# Allegro board PSU-C2-6Layers-Aug8.brd (continued)
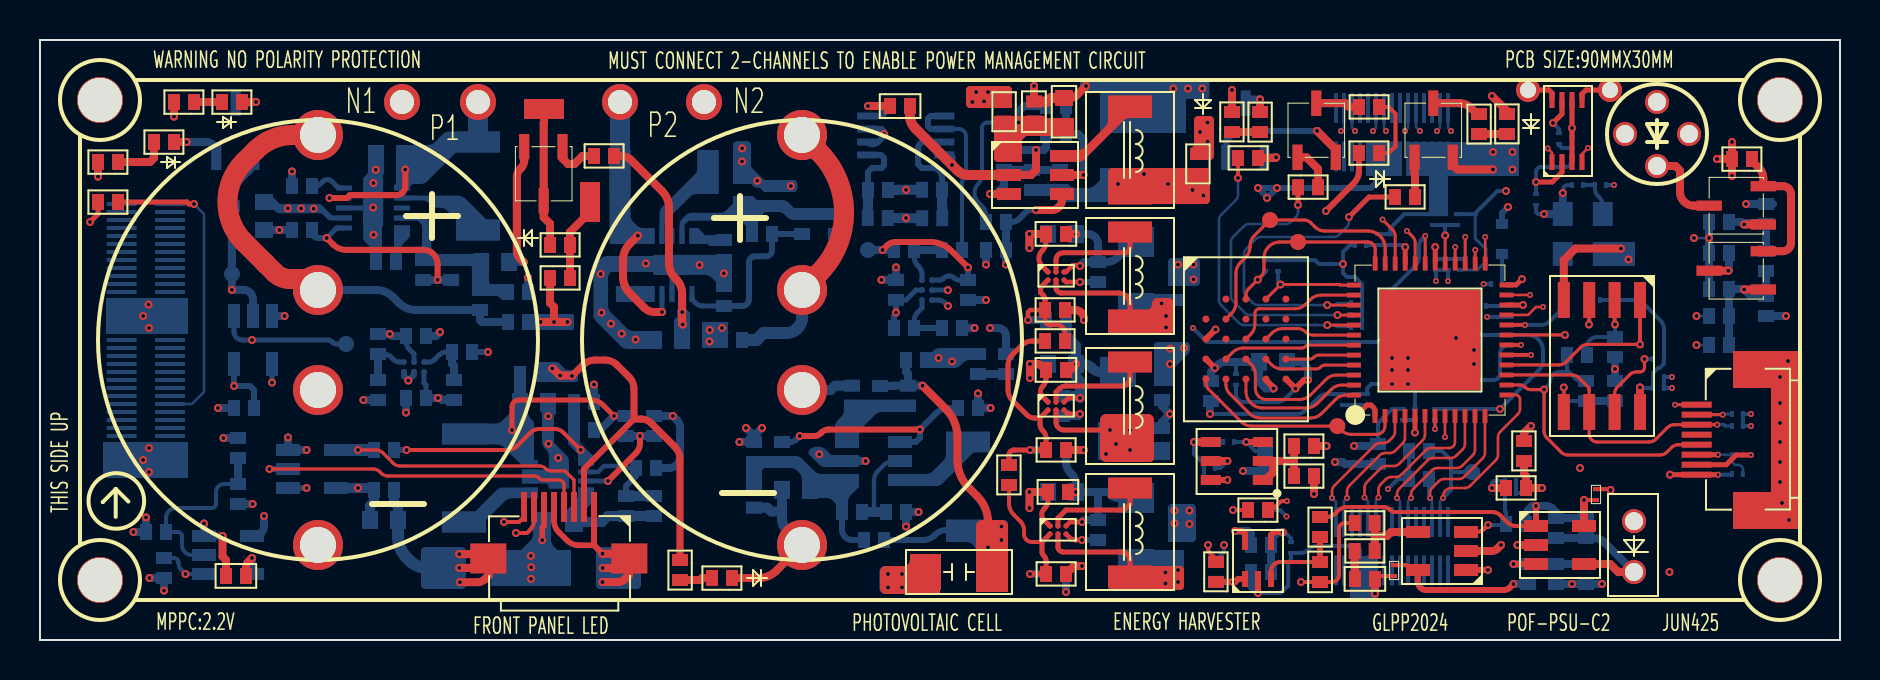
[diagram p0: board, top side]
## Routing (per net, layer and track width the routed paths; a pad name or vN(x,y) marks a point on that pad's centre or on a via; arc(x,y) is an arc through that point) (continued)
  BOTTOM w0.4: R71.2 C48.2
N824724: length 3
  BOTTOM w0.25: U18.C1 19.43,13.9 arc(19.6,13.93) 19.74,14.03 19.95,14.24 arc(20.13,14.36) 20.33,14.4 R72.1
  BOTTOM w0.4: R72.1 20.6,13.81 20.7,13.71 R79.1
N834143: length 1.6
  TOP w0.4: D6.2 33.11,3.1 33.01,3 R16.2
N943794: length 16.4
  TOP w0.2: R28.1 64.34,6.15 arc(64.57,6.2) 64.77,6.33 64.91,6.47 arc(65.11,6.6) 65.34,6.65 67.19,6.65 arc(67.34,6.62) 67.46,6.54 67.49,6.51 arc(67.61,6.43) 67.76,6.4 72.6,6.4 arc(72.83,6.35) 73.03,6.22 73.37,5.88 arc(73.57,5.75) 73.8,5.7 U12.1
  TOP w0.3: U12.1 v1(74.8,6.7)
  BOTTOM w0.4: C65.2 74.3,6.23 arc(74.33,6.39) 74.42,6.52 74.6,6.7 v1(74.8,6.7) 75.33,6.7 arc(75.49,6.67) 75.62,6.58 75.8,6.4 C66.1 R111.1
N943802: length 7.2
  TOP w0.4: PD1.1 78.91,3.4 78.51,3.8 U12.4
  BOTTOM w0.4: C66.2 R111.2 77.69,5.1 arc(77.98,5.04) 78.22,4.88 PD1.1
N950397: length 4.2
  TOP w0.4: v1(75.1,7.6) R24.2 74.3,8.19 74.2,8.29 R25.1
  BOTTOM w0.2: C57.1 73.8,7.36 R103.2 74.09,7.35 arc(74.24,7.38) 74.36,7.46 74.39,7.49 arc(74.51,7.57) 74.66,7.6 v1(75.1,7.6)
N953867: length 16
  TOP w0.2: R116.1 65.24,5.85 arc(65.04,5.76) 64.95,5.56 64.95,3.26 arc(64.84,3.01) 64.59,2.9 C13.1 v1(63.05,2.9)
  TOP w0.3: v1(72.4,3.5) U11.1
  SIG1 w0.127: v1(72.4,3.5) 66.56,3.5 arc(66.41,3.47) 66.29,3.39 65.91,3.01 arc(65.79,2.93) 65.64,2.9 v1(63.05,2.9)
N953891: length 3.6
  TOP w0.4: R110.2 66.73,5.2 ; 66.73,5.2 R116.2 ; 66.73,5.2 67.35,5.2 67.55,5.4 U11.4
N953940: length 1.4
  TOP w0.4: R110.1 65.73,3.66 65.75,3.64 C68.2
N957540: length 4.4
  TOP w0.2: U10.3 61.55,3.45 arc(61.68,3.77) 62,3.9 C13.2
  TOP w0.3: C13.2 R28.2
N961187: length 4.1
  TOP w0.3: v1(62.14,5.39) 62.12,5.4 61.7,5.4 61.55,5.25 U10.4
  BOTTOM w0.2: C70.2 62.55,5.09 62.25,5.39 v1(62.14,5.39)
  BOTTOM w0.4: R124.2 R115.1 61.55,5.05 61.89,5.39 v1(62.14,5.39)
N1037075: length 2.7
  TOP w0.4: R9.1 5.5,23.9 5.7,24.1 D5.2
N1120293: length 4.2
  TOP w0.4: LD1.2 81.78,23.7 82,23.48 82,22.4 arc(82.2,21.92) 82.69,21.71 Q1.3
N1120309: length 7
  TOP w0.4: Q2.1 v1(85.2,17.53)
  BOTTOM w0.4: R131.1 R33.1 85.53,17.2 v1(85.2,17.53) 85.18,17.55 R29.2 R15.2 R50.2
N1120313: length 1.9
  TOP w0.4: Q2.3 v1(84.42,18.46)
  BOTTOM w0.4: v1(84.42,18.46) 84.45,18.49 R32.2
N1120345: length 4.3
  TOP w0.4: v1(85.2,20.78) Q1.1
  BOTTOM w0.4: R131.2 R35.1 86.25,20.85 85.28,20.85 v1(85.2,20.78) 85.08,20.9 R31.2
N1120473: length 7.2
  TOP w0.4: R11.1 85.6,23.95 85.95,23.6 arc(86.11,23.36) 86.17,23.08 Q1.2 87.15,22.69 arc(87.43,22.57) 87.55,22.29 87.55,19.85 arc(87.43,19.56) 87.14,19.44 Q2.2
N1125946: length 2.1
  TOP w0.24: 68.75,11.2 v1(68.75,10.37)
  BOTTOM w0.2: v1(68.75,10.37) 68.75,10.37 C50.1 FB5.1
N1126010: length 2.6
  TOP w0.24: U4.30 v1(69.76,19.65)
  BOTTOM w0.2: FB2.1 C35.1 C36.1 69.8,19.61 v1(69.76,19.65)
N1126482: length 3.1
  TOP w0.15: U4.29 v1(70.26,20.23)
  BOTTOM w0.2: C22.1 C24.1 ; C24.1 R41.1 ; C24.1 70.25,20.24 v1(70.26,20.23)
N1126654: length 3.5
  TOP w0.24: U4.24 73.81,17.75 v1(74.1,18.05)
  BOTTOM w0.2: v1(74.1,18.05) 73.85,17.8 C37.1 D7.1
N1128601: length 6.8
  TOP w0.3: U3.E4 61.3,13 61.68,12.62 v1(61.68,12.58) ; U3.D1 v1(58.74,13.6)
  BOTTOM w0.2: C46.1 59.8,13.9
  BOTTOM w0.4: L8.1 58.55,13.41 v1(58.74,13.6) 58.92,13.78 arc(59.06,13.87) 59.22,13.9 C54.1 60.95,12.92 61.29,12.58 v1(61.68,12.58)
N1140972: length 9.6
  BOTTOM w0.2: U22.2 7.59,4.25 arc(7.24,4.39) 7.1,4.74 7.1,5.2 arc(7.04,5.34) 6.9,5.4 C69.2 6.3,6.1 arc(6.45,6.45) 6.8,6.6 8.6,6.6 arc(8.74,6.66) 8.8,6.8 8.8,7.4 arc(8.92,7.68) 9.2,7.8 R104.2
  BOTTOM w0.4: R93.1 R104.2
N1147788: length 1.4
  TOP w0.4: D2.1 R3.2
N1147792: length 3.6
  TOP w0.2: D3.1 67.44,24.35 67.78,24.68 67.78,26.32 67.44,26.65 R4.2
N1147796: length 1.4
  TOP w0.4: R5.2 D4.1
N1147848: length 1.4
  TOP w0.4: R3.1 v1(61,27.03)
  BOTTOM w0.4: v1(61,27.03) 60.47,27.03 60.28,26.84
N1147852: length 2.2
  TOP w0.4: Q4.3 65.27,26.84 65.46,26.65 R4.1
N1147856: length 2.5
  TOP w0.4: Q3.3 70.97,26.84 arc(71.28,26.78) 71.55,26.6 71.85,26.3 R5.1
N1147930: length 1.5
  TOP w0.4: R6.2 61.77,24.1 v1(61.81,24.13)
  BOTTOM w0.4: Q5.1 v1(61.81,24.13)
N1147938: length 2.2
  TOP w0.4: R7.2 63.9,23.56 63.32,24.13 Q4.1
N1147946: length 2
  TOP w0.4: Q3.1 68.73,23.31 68.75,23.28 R8.2
N1161020: length 75.7
  SIG1 w0.127: v1(7.27,3.3) 7.94,3.3 arc(8.09,3.27) 8.21,3.19 8.54,2.86 arc(8.66,2.78) 8.81,2.75 17.84,2.75 arc(17.99,2.78) 18.11,2.86 18.54,3.29 arc(18.62,3.41) 18.65,3.56 18.65,5.14 arc(18.68,5.29) 18.76,5.41 19.14,5.79 arc(19.26,5.87) 19.41,5.9 20.89,5.9 arc(21.04,5.87) 21.16,5.79 22.44,4.51 arc(22.56,4.43) 22.71,4.4 23.49,4.4 arc(23.64,4.43) 23.76,4.51 25.09,5.84 arc(25.21,5.92) 25.36,5.95 35.04,5.95 arc(35.19,5.98) 35.31,6.06 35.89,6.64 arc(36.23,6.87) 36.64,6.95 42.8,6.95 arc(42.85,6.96) 42.89,6.99 42.94,7.04 arc(43.06,7.12) 43.21,7.15 46.24,7.15 arc(46.39,7.18) 46.51,7.26 47.59,8.34 arc(47.71,8.42) 47.86,8.45 49.89,8.45 arc(50.04,8.42) 50.16,8.34 50.39,8.11 arc(50.47,7.99) 50.5,7.84 50.5,7.26 arc(50.53,7.11) 50.61,6.99 50.89,6.71 arc(51.01,6.63) 51.16,6.6 54.59,6.6 arc(54.74,6.57) 54.86,6.49 55.59,5.76 arc(55.67,5.64) 55.7,5.49 55.7,5.29 arc(55.8,5.05) 56.04,4.95 57.17,4.95 arc(57.44,4.84) 57.55,4.57 57.55,4.26 arc(57.58,4.11) 57.66,3.99 57.89,3.76 arc(58.12,3.61) 58.4,3.55 65.1,3.55 arc(65.38,3.6) 65.61,3.76 67.29,5.44 arc(67.37,5.56) 67.4,5.71 v2(67.4,7.55)
  BOTTOM w0.2: R120.1 6.68,4.1 arc(6.78,4.08) 6.87,4.02 arc(6.91,3.96) 6.93,3.88 6.93,3.85 arc(6.96,3.66) 7.07,3.5 v1(7.27,3.3) U22.1 ; R119.1 R118.1 67.9,8.05 v2(67.4,7.55)
N1296793: length 4.8
  TOP w0.3: U12.3 v1(73.67,3.8)
  BOTTOM w0.4: v1(73.67,3.8) R123.1 C75.2 R121.2
N1325635: length 3.7
  TOP w0.2: U11.3 71.82,5.4 arc(72.03,5.44) 72.21,5.56 v1(72.4,5.75)
  BOTTOM w0.2: v1(72.4,5.75) 73.25,5.75 C65.1 73.3,6.39 73.25,6.44 R103.1
N1346126: length 2.9
  BOTTOM w0.4: R42.1 9.6,22.2 arc(9.67,22.59) 9.9,22.93 10.72,23.75 Q6.1
N1347937: length 1.7
  TOP w0.4: D1.1 v1(10.8,26.9)
  BOTTOM w0.4: Q6.3 10.35,26.84 10.41,26.9 v1(10.8,26.9)
N1347941: length 1.4
  TOP w0.4: R1.1 D1.2
N1493508: length 6.2
  TOP w0.22: R126.2 51.25,15.37 arc(51.14,15.64) 50.87,15.75 50.49,15.75 arc(50.41,15.77) 50.34,15.81 50.31,15.84 arc(50.27,15.91) 50.25,15.99 R17.1 49.51,16.5 49.4,16.39 v1(49.4,16)
  TOP w0.25: R17.1 50.25,17.02 arc(50.23,17.14) 50.16,17.25 50.03,17.37 50.03,17.63 U2.B1
  BOTTOM w0.4: R64.2 v1(49.4,16)
N1495908: length 5.4
  TOP w0.25: U2.A2 50.8,19 arc(50.91,19.26) 51.16,19.36 54.24,19.36 arc(54.42,19.44) 54.5,19.62 L2.1
N1495915: length 5.3
  TOP w0.25: L2.2 54.5,16.78 arc(54.33,17.18) 53.93,17.35 51.06,17.35 arc(50.88,17.43) 50.8,17.61 U2.B2
  vias: v1(56.07,16.83) v1(56.3,16.2) v1(56.3,15.63)
N1496954: length 1.7
  TOP w0.23: U2.B3 51.3,17.9 v1(52,17.9)
  BOTTOM w0.3: v1(52,17.9) R58.2
N1504028: length 5.3
  TOP w0.25: L3.1 54.5,13.06 arc(54.48,12.94) 54.4,12.83 54.37,12.8 arc(54.26,12.72) 54.14,12.7 51.29,12.7 arc(51.11,12.67) 50.97,12.57 50.8,12.4 U6.A2
N1504040: length 5.6
  TOP w0.127: v1(54.5,9.5) 54.5,9.4
  TOP w0.25: U6.B2 50.8,10.9 arc(50.92,10.62) 51.2,10.5 v1(53.5,10.5) v1(54.5,10.5) v1(54.5,9.5)
  vias: v1(53.3,9.3) v1(53.8,9.8)
N1504216: length 11.6
  TOP w0.25: 50,11.1 50,10.79 arc(50.03,10.61) 50.13,10.47 50.17,10.43 arc(50.27,10.29) 50.3,10.11 R20.1 v1(49.5,9.5) 48.7,9.5 arc(48.52,9.43) 48.45,9.25 R125.2 ; 50,11.1 49.73,11.1 arc(49.52,11.14) 49.34,11.26 48.62,11.98 arc(48.46,12.22) 48.4,12.51 48.4,13.74 arc(48.46,14.03) 48.62,14.27 49.08,14.73 arc(49.32,14.89) 49.61,14.95 R126.1 ; 50,11.1 U6.B1
  BOTTOM w0.4: R20.1 v1(49.5,9.5)
N1504224: length 1.8
  TOP w0.23: v1(52,11.3) 51.52,11.3 arc(51.41,11.32) 51.32,11.38 U6.B3
  BOTTOM w0.4: R84.2 51.9,11.2 v1(52,11.3)
N1511461: length 5.1
  TOP w0.25: U8.A2 50.9,6.1 51.3,6.5 54.2,6.5 54.5,6.8 L4.1
N1511469: length 5.4
  TOP w0.25: L4.2 54.5,3.98 arc(54.38,4.28) 54.08,4.4 51.15,4.4 arc(50.97,4.47) 50.9,4.65 U8.B2
  vias: v1(56.27,3.37) v1(56.27,2.83) v1(56.9,3.5) v1(56.9,2.9)
N1511693: length 7.6
  TOP w0.2: 50.1,4.9 49.6,4.9 arc(49.32,5.02) 49.2,5.3 49.2,5.5 arc(49.15,5.73) 49.02,5.93 48.7,6.25 arc(48.51,6.53) 48.45,6.85 R125.1
  TOP w0.25: v1(49.5,3.3) R27.1 50.3,3.98 arc(50.28,4.09) 50.22,4.18 50.18,4.22 arc(50.12,4.31) 50.1,4.42 50.1,4.9 U8.B1
  BOTTOM w0.4: R27.1 v1(49.5,3.3)
N1511701: length 1.7
  TOP w0.23: U8.B3 51.47,5.13 arc(51.61,5.03) 51.79,5 v1(52.1,5)
  BOTTOM w0.3: v1(52.1,5) R112.2
N1521910: length 2.3
  BOTTOM w0.3: R108.2 40.1,5.52 arc(40.25,5.15) 40.62,5 R113.2
N1522062: length 10.9
  TOP w0.3: v1(44,10.52) 39.42,10.52 arc(39.24,10.49) 39.08,10.38 39.04,10.34 arc(38.88,10.24) 38.7,10.2 v1(37.99,10.2)
  BOTTOM w0.3: v1(37.99,10.2) 37.82,10.03 arc(37.67,9.93) 37.51,9.9 R96.1 ; U19.4 43.79,9.9 44,10.11 v1(44,10.52) 44.81,11.34 arc(45.1,11.53) 45.45,11.6 R85.2
N1522150: length 4.6
  BOTTOM w0.22: 41.7,6.4 41.7,7.98 arc(41.75,8.23) 41.89,8.44 42.21,8.76 arc(42.42,8.9) 42.67,8.95 U19.5
  BOTTOM w0.5: R108.1 R107.2
N1524626: length 1.4
  BOTTOM w0.4: R75.2 D8.2
N1528431: length 9
  BOTTOM w0.2: v1(48.93,25.87) 47.37,25.87 arc(47.18,25.79) 47.1,25.6 47.1,23.25 arc(47.05,23.02) 46.92,22.82 arc(46.73,22.35) 46.92,21.88 47.12,21.68 arc(47.25,21.48) 47.3,21.25 R46.2
  BOTTOM w0.4: R30.2 49.2,26.7 48.93,26.43 v1(48.93,25.87)
N1528491: length 5.4
  TOP w0.4: U1.3 v1(47.5,22.3)
  BOTTOM w0.4: v1(47.5,22.3) 47.8,22.3 48.2,22.7 R36.2 R37.2 C19.1
N1528623: length 30.2
  TOP w0.4: v1(49.8,21.5) 50.61,21.5 arc(50.78,21.53) 50.92,21.63 50.97,21.68 arc(51.07,21.82) 51.1,21.99 U1.4
  SIG1 w0.2: v1(48.3,18.77) 48.3,18.25 arc(48.35,18.02) 48.48,17.82 49.07,17.23 arc(49.27,17.1) 49.5,17.05 53.75,17.05 arc(53.98,17.1) 54.18,17.23 54.62,17.67 arc(54.82,17.8) 55.05,17.85 56.25,17.85 arc(56.48,17.8) 56.68,17.67 57.47,16.88 arc(57.6,16.68) 57.65,16.45 v2(57.65,15.6)
  BOTTOM w0.2: R22.1 R23.1 67.45,15.41 66.94,14.9 58.35,14.9 v2(57.65,15.6)
  BOTTOM w0.3: v1(49.8,21.5) 49.57,21.5 arc(49.41,21.47) 49.28,21.38 48.96,21.06 arc(48.78,20.94) 48.58,20.9 R46.1
  BOTTOM w0.4: R46.1 R53.2 v1(48.3,18.77)
N1528651: length 5.2
  TOP w0.4: U1.5 52.17,23.25 v1(52.17,23.25)
  BOTTOM w0.4: v1(52.17,23.25) 52.17,25.03 51.9,25.3 R34.2 R30.1
N1533062: length 2.4
  TOP w0.3: R106.1 v1(59.65,2.91) 59.76,2.91 59.91,3.05 U10.1
  BOTTOM w0.3: R101.1 59.65,2.9 v1(59.65,2.91)
N1559286: length 4.3
  TOP w0.4: 61.67,8.95 61.67,8.4 61.27,8 U7.1 ; 61.67,8.95 U7.2 ; 61.67,8.95 62.7,8.95 ; 62.7,8.95 R19.2 ; 62.7,8.95 R21.2
N1560195: length 1.4
  TOP w0.3: U7.6 v1(59.37,8)
  BOTTOM w0.2: R102.2 v1(59.37,8)
N1632215: length 4.2
  TOP w0.4: R127.2 D9.2 26.5,20.4 27.5,21.4 TP21.1
N1632252: length 6.9
  TOP w0.4: TP22.1 25.2,25.86 25.18,25.84 25.18,21.13 25.5,20.82 D9.1
N1633088: length 2.4
  TOP w0.4: Q7.1 26.12,24.08 26.4,23.8 26.72,23.8 27.12,24.2 R128.1
N1642129: length 2.2
  BOTTOM w0.2: R129.1 R130.1 77.75,22.53 arc(77.78,22.36) 77.88,22.22 77.96,22.14 arc(78.09,21.94) 78.14,21.71 Y2.1
N3312581: length 1.6
  TOP w0.25: TP25.1 75.45,27.5 75.6,27.35 U23.8
N3312603: length 1.8
  TOP w0.25: U23.5 77.1,27.3 77.3,27.5 TP26.1

## Copper pours and planes (outline as drawn; the poured copper is in the pictures)
GND on TOP (solid shape): 87.9,5.55 84.65,5.55 84.65,7.4 86.55,7.4 86.55,12.6 84.65,12.6 84.65,14.45 87.9,14.45
GND on TOP (solid shape): 45,2.3 42.3,2.3 42.09,2.39 42,2.6 42,3.4 42.09,3.61 42.3,3.7 43.2,3.7 43.41,3.79 43.5,4 43.5,4.3 45,4.3
GND on BOTTOM (solid shape): 7.4,8.1 3.15,8.1 3.15,9.9 7.4,9.9
GND on BOTTOM (solid shape): 66.9,2.1 65.5,2.1 65.5,4.2 66.9,4.2
GND on BOTTOM (solid shape): 79.75,18.7 77.65,18.7 77.65,19.9 79.75,19.9
GND on BOTTOM (solid shape): 58.47,27.06 57.3,27.06 57.3,25.35 53,25.35 53,27.4 52,27.4 52,27.9 58.47,27.9
GND on BOTTOM (solid shape): 73.95,23.2 70.4,23.2 70.4,21.2 69.45,21.2 69.45,23.2 68.3,23.2 68.3,24.9 73.95,24.9
GND on BOTTOM (solid shape): 17.2,23.31 17.16,23.27 17.16,20.72 17.1,20.67 17.1,18.5 16.5,18.5 16.5,19.56 16.48,19.65 16.43,19.73 16.23,19.93 16.17,20.01 16.16,20.1 16.16,21.48 14.8,21.48 14.8,21.73 16.16,21.73 16.16,23 16.17,23.09 16.23,23.17 16.33,23.27 16.38,23.35 16.4,23.45 16.4,24.75 17.2,24.75
GND on BOTTOM (solid shape): 45,2.3 42.26,2.3 42.05,2.39 41.96,2.6 41.96,3.4 42.05,3.61 42.26,3.7 43.2,3.7 43.41,3.79 43.5,4 43.5,4.3 45,4.3
GND on BOTTOM (solid shape): 35.35,24.94 35.49,24.89 35.55,24.74 35.55,23.75 35.57,23.66 35.62,23.58 36.13,23.07 36.21,23.02 36.3,23 37,23 37,22.4 36.2,22.4 36.06,22.54 35.98,22.6 35.88,22.62 35.84,22.62 35.74,22.63 35.66,22.69 35.55,22.8 34.65,22.8 34.65,24.74 34.71,24.89 34.85,24.94
GND on BOTTOM (solid shape): 25.8,11.36 25.79,11.31 25.76,11.27 25.73,11.24 25.7,11.2 25.69,11.15 25.69,10.91 25.7,10.9 25.7,9.87 26.3,9.26 26.41,9.11 26.45,8.92 26.45,7.58 25.45,7.58 25.45,7.62 25.39,7.77 25.25,7.82 24.1,7.82 24.1,8.52 25.25,8.52 25.39,8.58 25.45,8.73 25.45,9.18 25.41,9.37 25.3,9.52 25.24,9.58 25.14,9.74 25.1,9.93 25.1,11.3 25.09,11.35 25.06,11.39 25,11.45 25,12.35 25.8,12.35
GND on BOTTOM (solid shape): 34.6,17.4 33.8,17.4 33.8,17.89 33.58,18.11 33.42,18.22 33.24,18.26 31.73,18.26 31.73,16.9 31.48,16.9 31.48,18.26 30.68,18.26 30.68,18.4 28.55,18.4 28.54,18.39 28.44,18.23 28.4,18.05 28.4,16.72 28.44,16.54 28.54,16.38 29.33,15.59 29.49,15.49 29.67,15.45 31.1,15.45 31.1,14.55 29.39,14.55 29.2,14.59 29.05,14.69 27.81,15.93 27.71,16.08 27.67,16.27 27.67,18.5 27.71,18.69 27.81,18.84 28.03,19.06 28.18,19.16 28.37,19.2 30.68,19.2 30.68,19.26 33.8,19.26 33.8,19.3 34.6,19.3
GND on GND: 4.99,27.52 4.8,28 85.2,28 85.04,27.55 84.99,27.08 85.6,25.6 87.08,24.99 87.55,25.04 88,25.2 88,4.8 87.54,4.97 87.06,5.02 85.59,4.41 84.98,2.94 85.03,2.46 85.2,2 80.95,2 80.95,6.9 66.7,6.9 66.4,7.2 64.6,7.2 64.3,6.9 63.4,6.9 63.4,2 4.8,2 4.48,4.48 2,4.8 2,25.2 2.48,25.01 3,24.94 4.46,25.54 5.06,27 ; 1 cut-out
GND on GND2: 4.99,27.52 4.8,28 85.2,28 85.04,27.55 84.99,27.08 85.6,25.6 87.08,24.99 87.55,25.04 88,25.2 88,4.8 87.54,4.97 87.06,5.02 85.59,4.41 84.98,2.94 85.03,2.46 85.2,2 80.95,2 80.95,6.9 67,6.9 67,7.05 66.7,7.35 64.75,7.35 64.3,6.9 63.4,6.9 63.4,2 4.8,2 4.48,4.48 2,4.8 2,25.2 2.48,25.01 3,24.94 4.46,25.54 5.06,27 ; 1 cut-out
P1V8ADJ_PRE on BOTTOM (solid shape): 58,23.6 58.35,23.45 58.5,23.1 58.5,22.4 58.35,22.05 58,21.9 51.1,21.9 50.92,21.94 50.76,22.04 50.6,22.2 49.2,22.2 49.2,22.8 51.4,22.8 51.46,22.74 51.62,22.64 51.8,22.6 52.4,22.6 52.58,22.64 52.74,22.74 53,23 53,23.6
P5V0 on BOTTOM (solid shape): 7.4,15.3 3.3,15.3 3.3,17.1 7.4,17.1
P5V0 on BOTTOM (solid shape): 25.55,5.02 25.59,4.83 25.69,4.68 25.87,4.5 26.55,4.5 26.55,2.7 22.55,2.7 22.55,4.5 24.05,4.5 24.51,4.96 24.61,5.12 24.65,5.3 24.65,6.4 25.55,6.4
LDO22-1 on BOTTOM (solid shape): 11.65,22.14 11.95,21.84 11.99,21.81 12.04,21.8 13.93,21.8 14.02,21.79 14.1,21.73 14.54,21.3 14.61,21.24 14.71,21.23 15.6,21.23 15.6,20.98 14.54,20.98 14.45,20.99 14.37,21.05 14.15,21.27 14.07,21.32 13.98,21.34 11.96,21.34 11.87,21.36 11.79,21.41 11.7,21.5 10.75,21.5 10.75,22.3 11.65,22.3
LDO22-2 on BOTTOM (solid shape): 32.23,16.64 32.5,16.36 32.5,14.55 31.7,14.55 31.7,16.01 31.85,16.16 31.85,16.51 31.98,16.64 31.98,17.7 32.23,17.7
P5033 on BOTTOM (solid shape): 68.1,23.2 66.3,23.2 66.3,24.9 68.1,24.9
P5033 on BOTTOM (solid shape): 47.3,14 46.5,14 46.32,13.96 46.16,13.86 46.04,13.74 45.88,13.64 45.7,13.6 44,13.6 44,14.4 44.6,14.4 44.66,14.46 44.82,14.56 45,14.6 47.3,14.6
P5033_PRE on BOTTOM (solid shape): 48.2,6 48.34,5.94 48.4,5.8 48.4,2.4 46.8,2.4 46.8,4.4 46.76,4.58 46.66,4.74 46.64,4.76 46.48,4.86 46.3,4.9 45.3,4.9 45.3,6
VCAP on BOTTOM (solid shape): 34.4,14.6 33.1,14.6 33.1,15.9 34.4,15.9
VCAP1 on BOTTOM (solid shape): 18.98,21.23 19.16,21.19 19.32,21.08 19.41,20.99 19.52,20.83 19.55,20.64 19.55,19.71 19.57,19.61 19.63,19.54 19.79,19.37 19.87,19.32 19.96,19.3 22.45,19.3 22.45,17.9 22.48,17.83 22.55,17.8 23.7,17.8 23.7,17 23.1,17 22.97,17.13 22.89,17.18 22.8,17.2 21.6,17.2 21.6,18.61 21.57,18.68 21.5,18.7 18.75,18.7 18.75,19.28 18.77,19.37 18.83,19.45 19.03,19.65 19.08,19.73 19.1,19.82 19.1,20.65 19.08,20.75 19.03,20.82 18.95,20.9 18.87,20.96 18.78,20.98 17.7,20.98 17.7,21.23
VCAP2 on BOTTOM (solid shape): 35.54,22.2 35.63,22.18 35.71,22.13 35.77,22.07 35.84,22.02 35.94,22 37.1,22 37.28,21.96 37.44,21.86 37.7,21.6 38.5,21.6 38.5,21 37.7,21 37.51,21.04 37.36,21.14 37.24,21.26 37.08,21.36 36.9,21.4 36.25,21.4 36.04,21.19 35.94,21.03 35.9,20.85 35.9,19.9 35.3,19.9 35.3,20.7 35.18,20.82 35.02,20.92 34.84,20.96 32.52,20.96 32.43,20.94 32.35,20.89 32.29,20.83 32.24,20.75 32.22,20.66 32.22,20.61 32.23,20.6 32.23,19.8 31.98,19.8 31.98,20.73 32.01,20.91 32.12,21.07 32.26,21.22 32.42,21.32 32.6,21.36 33.99,21.36 34.17,21.4 34.33,21.5 34.65,21.82 34.65,22.2
N478267 on BOTTOM (solid shape): 23,24.38 20.8,24.38 19.37,22.94 19.21,22.84 19.02,22.8 18.7,22.8 18.56,22.74 18.5,22.6 18.5,22.48 17.7,22.48 17.7,22.73 17.8,22.82 17.8,24.75 19.4,24.75 19.59,24.79 19.74,24.89 20.14,25.28 20.29,25.39 20.48,25.43 23,25.43
N478271 on BOTTOM (solid shape): 20.81,22.23 21.09,22.17 21.33,22.01 22.31,21.02 23,21.02 23,19.98 20.8,19.98 20.8,21.02 20.35,21.47 20.2,21.58 20.01,21.61 19.87,21.61 19.69,21.65 19.53,21.75 19.45,21.83 19.3,21.94 19.11,21.98 17.7,21.98 17.7,22.22
N478385 on BOTTOM (solid shape): 18.5,20.26 18.48,20.17 18.43,20.09 18.17,19.83 18.12,19.75 18.1,19.66 18.1,18.5 17.5,18.5 17.5,19.32 17.63,19.45 17.68,19.53 17.7,19.62 17.7,20.73 18.5,20.73
N485107 on BOTTOM (solid shape): 29.52,21.24 29.56,21.06 29.67,20.9 29.83,20.74 29.99,20.64 30.17,20.6 30.73,20.6 30.73,19.8 28.48,19.8 28.48,24.5 29.52,24.5
N485115 on BOTTOM (solid shape): 33.92,22.3 32.84,22.3 32.65,22.26 32.5,22.16 31.37,21.03 31.26,20.87 31.23,20.69 31.23,19.8 30.98,19.8 30.98,21.31 31.01,21.5 31.12,21.65 32.73,23.27 32.84,23.43 32.88,23.61 32.88,24.5 33.92,24.5
N485445 on BOTTOM (solid shape): 30.73,16.9 28.8,16.9 28.8,17.7 30.73,17.7
N485483 on BOTTOM (solid shape): 33.25,20.25 33.75,20.25 33.8,20.3 34.6,20.3 34.6,19.7 33.47,19.7 33.37,19.8 32.48,19.8 32.48,20.6 32.9,20.6
N813698 on BOTTOM (solid shape): 24.4,11.4 24.44,11.22 24.54,11.06 24.7,10.9 24.7,8.98 24.9,8.98 24.9,8.73 24.1,8.73 23.19,9.63 23.03,9.74 22.85,9.77 20.1,9.77 20.1,10.82 22.77,10.82 22.96,10.86 23.12,10.97 23.6,11.45 23.6,12.35 24.4,12.35
N813706 on BOTTOM (solid shape): 24.9,7.09 23.59,7.09 23.41,7.05 23.25,6.95 22.3,6 22.3,5.38 20.1,5.38 20.1,6.43 21.76,6.43 22.81,7.48 22.97,7.59 23.16,7.62 24.9,7.62
N813852 on BOTTOM (solid shape): 27.7,7.15 27.66,6.97 27.56,6.81 27.15,6.4 27.15,5.4 26.25,5.4 26.25,6.4 26.76,6.91 26.86,7.07 26.9,7.25 26.9,7.62 27.7,7.62
N813992 on BOTTOM (solid shape): 27,9.91 27.01,9.86 27.04,9.82 27.66,9.2 27.69,9.16 27.7,9.11 27.7,8.73 26.9,8.73 26.9,9.25 26.89,9.3 26.86,9.34 26.44,9.77 26.41,9.81 26.4,9.85 26.4,12.3 27,12.3
N1495915 on BOTTOM (solid shape): 57.2,16.7 56.7,16.7 56.7,15.5 56.64,15.36 56.5,15.3 54.1,15.3 53.96,15.36 53.9,15.5 53.9,17.3 57.2,17.3
N1504040 on BOTTOM (solid shape): 55,9.9 56.5,9.9 56.5,9 52.9,9 52.9,10.9 55,10.9
N1521862 on BOTTOM (solid shape): 47.5,9.5 46.8,9.5 45.14,7.84 44.98,7.74 44.8,7.7 42.4,7.7 42.4,8.3 44.3,8.3 44.48,8.34 44.64,8.44 45.16,8.96 45.26,9.12 45.3,9.3 45.3,10.4 47.5,10.4
N1521910 on BOTTOM (solid shape): 37.77,9.2 37.95,9.16 38.11,9.06 38.73,8.44 38.88,8.34 39.07,8.3 40.95,8.3 40.95,7.65 40.54,7.24 40.44,7.08 40.4,6.9 40.4,6 39.8,6 39.8,6.8 39.64,6.96 39.48,7.06 39.3,7.1 38.1,7.1 38.1,8.02 38.06,8.21 37.96,8.36 37.86,8.46 37.71,8.56 37.52,8.6 36.3,8.6 36.15,8.54 36.09,8.4 36.09,7.31 35.3,7.31 35.3,9.2
N1521958 on BOTTOM (solid shape): 43.8,11.4 42.1,11.4 41.92,11.36 41.76,11.26 41.09,10.59 40.99,10.43 40.95,10.25 40.95,9.6 39.75,9.6 39.75,10.65 39.79,10.83 39.89,10.99 40.06,11.16 40.16,11.32 40.2,11.5 40.2,12.02 43.8,12.02
N1528387 on TOP (solid shape): 55.6,26.1 54.5,26.1 54.32,26.06 54.16,25.96 52.24,24.04 52.08,23.94 51.9,23.9 50.5,23.9 50.5,24.5 51.9,24.5 52.08,24.54 52.24,24.64 53.26,25.66 53.36,25.82 53.4,26 53.4,27.2 55.6,27.2
N1528431 on TOP (solid shape): 50.3,26.1 51.7,26.1 51.7,25.2 49.3,25.2 49.1,25 49.1,23.9 47.9,23.9 47.76,23.96 47.7,24.1 47.7,26.2 50.2,26.2
GND on BOTTOM (solid shape): 21.09,4.65 21.23,4.59 21.29,4.45 21.29,2.75 21.23,2.61 21.09,2.55 19.25,2.55 19.11,2.61 19.05,2.75 19.05,4.45 19.11,4.59 19.25,4.65
GND on BOTTOM (solid shape): 29.85,4.65 29.99,4.59 30.05,4.45 30.05,2.75 29.99,2.61 29.85,2.55 28,2.55 27.86,2.61 27.8,2.75 27.8,4.45 27.86,4.59 28,4.65
GND on BOTTOM (solid shape): 38.94,9.67 39.13,9.63 39.28,9.53 39.49,9.32 39.57,9.27 39.66,9.25 40.95,9.25 40.95,8.65 39.27,8.65 39.09,8.69 38.93,8.79 38.49,9.24 38.43,9.38 38.49,9.52 38.49,9.53 38.65,9.63 38.83,9.67
P1V2 on BOTTOM (solid shape): 57.6,6.8 57.74,6.74 57.8,6.6 57.8,5.1 57.74,4.96 57.6,4.9 56.4,4.9 56.4,6.6 56.46,6.74 56.6,6.8
P1V8ADJ_PRE on TOP (solid shape): 58.3,23.6 58.44,23.54 58.5,23.4 58.5,22 58.44,21.86 58.3,21.8 53.4,21.8 53.4,23.4 53.46,23.54 53.6,23.6
P1V80 on BOTTOM (solid shape): 57.3,14.9 57.44,14.84 57.5,14.7 57.5,14.6 57.46,14.42 57.36,14.26 56.84,13.74 56.74,13.58 56.7,13.4 56.7,12.7 55.7,12.7 55.7,14.7 55.76,14.84 55.9,14.9
P2V8 on BOTTOM (solid shape): 57.8,19.1 57.94,19.04 58,18.9 58,17.9 57.94,17.76 57.8,17.7 56.4,17.7 56.4,18.9 56.46,19.04 56.6,19.1
P2V9ADJ on TOP (solid shape): 58.5,26.2 58.64,26.14 58.7,26 58.7,24.2 58.64,24.06 58.5,24 57.5,24 57.5,24.6 57.64,24.66 57.7,24.8 57.7,26 57.76,26.14 57.9,26.2
P5V0 on TOP (solid shape): 48.4,27.7 48.54,27.64 48.6,27.5 48.6,26.6 46.5,26.6 46.36,26.66 46.3,26.8 46.3,27.5 46.36,27.64 46.5,27.7
P5033_PRE on TOP (solid shape): 48.1,6 48.31,5.91 48.4,5.7 48.4,2.4 46.8,2.4 46.8,5.7 46.89,5.91 47.1,6
VCAP on BOTTOM (solid shape): 26.6,16.3 26.67,16.27 26.7,16.2 26.7,15.6 26.67,15.53 26.6,15.5 24.1,15.5 24.1,16.3
VCAP on BOTTOM (solid shape): 25.8,13.9 25.89,13.88 25.97,13.83 26.23,13.57 26.31,13.52 26.4,13.5 26.8,13.5 26.87,13.47 26.9,13.4 26.9,13 26.87,12.93 26.8,12.9 24.7,12.9 24.7,13.8 24.73,13.87 24.8,13.9
N1495915 on TOP (solid shape): 56.4,17.1 56.61,17.01 56.7,16.8 56.7,15.6 56.61,15.39 56.4,15.3 53.4,15.3 53.4,16.5 55.3,16.5 55.51,16.59 55.69,17.01 55.9,17.1
N1504040 on TOP (solid shape): 55.4,11.3 55.61,11.21 55.7,11 55.7,9.1 55.64,8.96 55.5,8.9 53.3,8.9 53.09,8.99 53,9.2 53,11 53.09,11.21 53.3,11.3
N1511469 on TOP (solid shape): 57,3.7 57.14,3.64 57.2,3.5 57.2,2.7 57.14,2.56 57,2.5 53.6,2.5 53.46,2.56 53.4,2.7 53.4,3.7
N1511469 on BOTTOM (solid shape): 57.2,2.7 57.14,2.56 57,2.5 54.1,2.5 53.96,2.56 53.9,2.7 53.9,4.5 57.2,4.5

Small or netless copper shapes (teardrops, artwork), in the pictures only: 1 on BOTTOM

## Text on the board
Ref Des/Silkscreen Bottom: LDO22 | G | 2VDC | P5V0 | WARNING NO POLARITY PROTECTION
User.Comments: 8 LAYERS PCB STACK, 1.6mm THINKNESS. | ANY QUESTIONS PLEASE CONTACT ME: +8613522296239 | OVC/P | DONE | INIT | J3 | TP1 | TP3 | F1 | C15 | R3 | D7 | C50 | C13 | R36 | R2 | R1 | R35 | C14 | C51 | U5 | R4 | U6 | R41 | C55 | J1 | Y1 | U9 | R56 | U7 | R54 | TP4 | R53 | TP2 | R48 | U1 | C11 | C3 | C4 | U2 | SW1 | U4 | R28 | C7 | C1 | Y4 | R32 | U3 | C30 | Y3 | R89 | R90 | C31 | R30 | C34 | C19 | R16 | R17 | C26 | C48 | C29 | C8 | J5 | C65 | U8 | C2 | C38 | C43 | C56 | Y2 | C44 | R20 | R22 | FB2 | C40 | R25 | R27 | FB3 | C41 | R33 | C37 | J4 | J2 | R59 | Q1 | R5 | Q2 | C28 | C33 | C39 | C42 | R34 | R31 | R26 | R23 | R60 | R40 | R46 | R8 | C52 | C61 | C20 | R19 | R58 | R57 | R18 | C62 | C21 | C53 | C16 | R47 | C63 | R9 | C64 | R55 | C59 | R51 | C57 | R52 | C10 | C66 | C146 | C9 | C12 | C60 | C54 | R11 | R38 | C49 | R12 | R13 | R14 | R15 | R37 | C22 | C18 | FB1 | C27 | C24 | R24 | C23 | R29 | R42 | R21 | R10 | C25 | C32 | C36 | C17 | C46 | C89 | R43 | C45 | R44 | R45 | R6 | C35 | R7 | R49 | C139 | R39 | C47 | POF-DPU-POE-A1 SEP2225
Ref Des/Silkscreen Top: WARNING NO POLARITY PROTECTION | MPPC:2.2V | FRONT PANEL LED | MUST CONNECT 2-CHANNELS TO ENABLE POWER MANAGEMENT CIRCUIT | PHOTOVOLTAIC CELL | ENERGY HARVESTER | GLPP2024 | PCB SIZE:90MMX30MM | POF-PSU-C2 | JUN425 | THIS SIDE UP | N1 | P1 | P2 | N2
XSECTION_CHART: *  SURFACE - AIR 0 MM | L1 TOP CONDUCTOR - COPPER 0.035 MM | *  DIELECTRIC - FR-4 0.0994 MM | L2 GND CONDUCTOR - COPPER 0.0152 MM | *  DIELECTRIC - FR-4 0.55 MM | L3 SIG1 CONDUCTOR - COPPER 0.0152 MM | *  DIELECTRIC - FR-4 0.1088 MM | L4 VCC CONDUCTOR - COPPER 0.0152 MM | L5 GND2 CONDUCTOR - COPPER 0.0152 MM | L6 BOTTOM CONDUCTOR - COPPER 0.035 MM | DESIGN CROSS SECTION CHART | ___________________________ | TOTAL THICKNESS 1.5384 MM | STACKUP TABLE | Unit = Millimeter | # | 1 | 2 | 3 | 4 | 5 | 6 | NAME | TOP | GND | SIG1 | VCC | GND2 | BOTTOM | TYPE | SURFACE | CONDUCTOR | DIELECTRIC | MATERIAL | AIR | COPPER | FR-4 | TOTAL THICKNESS | THICKNESS | 0 | 0.035 | 0.0994 | 0.0152 | 0.55 | 0.1088 | 1.5384 | TOLERANCE | +0/-0 | 1-6
DIMENSION: 6LAYERS PCB STACK, 1.2mm THINKNESS, NO IMPEDANCE MATCH DEMAND. | ANY QUESTIONS PLEASE CONTACT ME: +8613522296239
NCLEGEND-1-6: FIGURE | FINISHED_SIZE | 0.2 | 0.9 | 1.2 | 1.8 | 2.2 | DRILL CHART: TOP to BOTTOM | ALL UNITS ARE IN MILLIMETERS | PLATED | NON-PLATED | QTY | 376 | 6 | 4 | 8
